# Altium PCB PCBv1.PcbDoc (part 2 of 2)
Units mm, origin at the board's own origin, x right, y up, seen from the top; angles counter-clockwise.
Board outline 94 x 133.2 mm, 2 copper layers (Top Layer, Bottom Layer), stack 1.615 mm thick; 122 components, 109 nets, 540 pads, 717 vias.
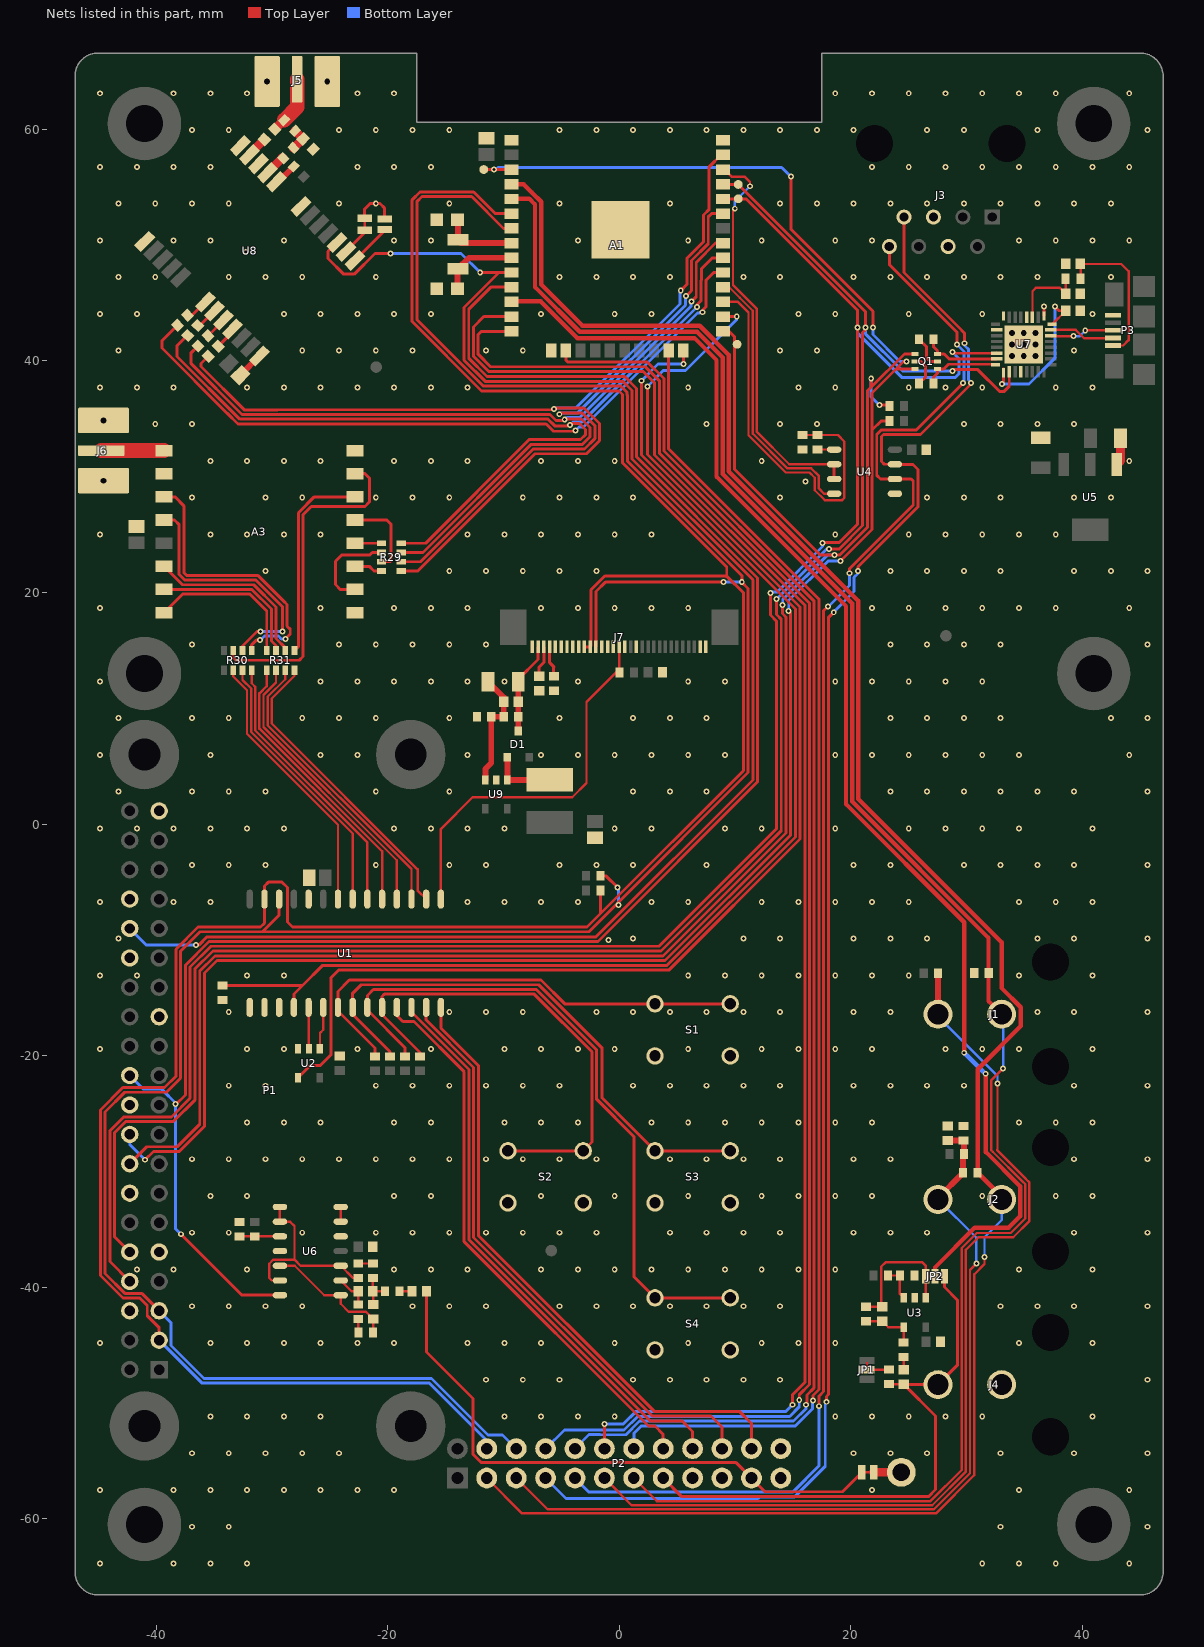
[diagram p2: the nets of this part, all layers, seen from the top]

## Via types
v1: diameter 0.508, hole 0.254, Top Layer to Bottom Layer, tented both sides, 702 vias
v2: diameter 0.889, hole 0.508, Top Layer to Bottom Layer, tented top, 9 vias
v3: diameter 1.27, hole 0.711, Top Layer to Bottom Layer, tented both sides, 6 vias

## Nets (pads, with @x,y where several pads share a name; then routed paths per layer and width w, separated by ;. In a path a pad name is that pad's centre, name@x,y a point inside that pad or via, vN(x,y) a via of type N, cw(c..) or ccw(c..) an arc to the next point about the centre after c; other vN are vias at no path point) (continued)
60Hz: A1.11 P1.22 U6.14 | length 158.4
  Top Layer w0.254: v1(-38.315,-24.187) -38.315,-24.252 -37.465,-23.402 -37.465,-12.192 -35.427,-10.154 -1.833,-10.154 11.963,3.643 11.963,21.26 1.52,31.704 1.52,37.405 1.512,37.413 1.512,37.617 0.481,38.649 -11.4,38.649 -12.989,40.237 -12.989,44.46 -11.078,46.37 A1.11@-9.303,46.37 ; v1(-37.846,-35.434) -32.579,-40.701 U6.14@-29.3,-40.701
  Bottom Layer w0.254: P1.22@-42.27,-21.73 -41.086,-22.914 -39.506,-22.914 -38.233,-24.187 v1(-38.315,-24.187) -38.315,-34.965 v1(-37.846,-35.434)
60HzAnt: C12.2 JP5.2 P2.21 | length 51.4
  Top Layer w0.254: C12.2@-16.644,-40.36 -16.644,-45.602 -12.609,-49.636 -12.609,-54.449 -11.919,-55.139 10.069,-55.139 P2.21@11.43,-56.5 12.609,-57.679 19.293,-57.679 JP5.2@20.972,-56
BTN1: R36.1 S1.1 S1.2 U1.21 | length 42.1
  Top Layer w0.254: R36.1@-21.092,-20.067 -21.092,-19.352 -24.284,-16.161 U1.21@-24.284,-15.841 -24.284,-14.46 -23.302,-13.479 -6.748,-13.479 -4.697,-15.53 S1.1@3.1,-15.53 S1.2@9.6,-15.53
BTN2: R37.1 S3.1 S3.2 U1.22 | length 48.2
  Top Layer w0.254: R37.1@-19.793,-20.067 -19.793,-19.683 -23.014,-16.462 U1.22@-23.014,-15.841 -23.014,-14.621 -22.278,-13.885 -6.936,-13.885 -1.494,-19.327 -1.494,-23.635 S3.1@3.1,-28.23 S3.2@9.6,-28.23
BTN3: R38.1 S4.1 S4.2 U1.23 | length 58.8
  Top Layer w0.254: R38.1@-18.494,-20.067 -18.494,-19.319 -21.744,-16.069 U1.23@-21.744,-15.841 -21.744,-14.806 -21.229,-14.292 -7.158,-14.292 -1.938,-19.511 -1.938,-23.779 1.289,-27.007 1.289,-39.119 S4.1@3.1,-40.93 S4.2@9.6,-40.93
BTN4: R39.1 S2.3 S2.4 U1.24 | length 42.2
  Top Layer w0.254: R39.1@-17.194,-20.067 -17.194,-19.734 -20.474,-16.455 U1.24@-20.474,-15.841 -20.474,-14.89 -20.282,-14.698 -7.326,-14.698 -2.345,-19.679 -2.345,-27.475 S2.3@-3.1,-28.23 S2.4@-9.6,-28.23
C\S\_SX: A3.5 R29.7 | length 7.3
  Top Layer w0.254: A3.5@-22.814,26.26 -20.07,26.26 -19.692,25.882 -19.692,22.78 -19.818,22.654 R29.7@-20.523,22.654
CT: A1.4 J2.1 P2.3 R8.2 | length 184.5
  Top Layer w0.203: P2.3@-11.43,-56.5 -8.376,-59.554 27.369,-59.554 30.681,-56.242 30.681,-38.902 31.566,-38.017 v1(31.566,-37.404)
  Top Layer w0.381: A1.4@-9.37,55.249 -8.237,55.249 -7.548,54.56 -6.732,53.744 -6.732,46.604 -3.171,43.044 6.956,43.044 9.481,40.519 9.481,30.456 20.669,19.268 20.669,2.161 33.039,-10.21 33.039,-14.169 34.704,-15.834 34.704,-17.446 30.972,-21.178 R8.2@30.972,-30.127 33.047,-32.202 J2.1@33.047,-32.43
  Bottom Layer w0.203: v1(31.566,-37.404) 31.566,-35.69 33.047,-34.209 J2.1@33.047,-32.43
CT_N: C29.2 J2.2 P2.5 R8.1 R9.1 R10.2 | length 74.2
  Top Layer w0.203: P2.5@-8.89,-56.5 -6.191,-59.199 27.204,-59.199 30.313,-56.089 30.313,-38.521 v1(30.861,-37.973)
  Top Layer w0.508: J2.2@27.547,-32.43 27.547,-32.301 R8.1@29.722,-30.127 29.722,-28.572 R9.1@29.782,-28.511 29.782,-27.366 R10.2@29.761,-27.345 28.414,-27.345 C29.2@28.404,-27.335
  Bottom Layer w0.203: J2.2@27.547,-32.43 30.861,-35.744 v1(30.861,-37.973)
D_SEL: JP4.2 U8.2 | length 2.5
  Top Layer w0.254: U8.2@-23.593,49.469 -21.982,51.079 JP4.2@-21.982,51.298
DIO0: R31.3 U1.3 | length 25.6
  Top Layer w0.203: R31.3@-28.84,13.283 -28.84,12.508 -30.36,10.988 -30.36,8.535 -17.934,-3.892 U1.3@-17.934,-6.491
DIO0_SX: A3.14 R31.6 | length 15.2
  Top Layer w0.254: A3.14@-39.314,22.26 -37.721,20.667 -31.555,20.667 -29.627,18.738 -29.627,16.015 -28.84,15.228 R31.6@-28.84,14.983
DIO1: R31.2 U1.4 | length 25
  Top Layer w0.203: R31.2@-29.64,13.283 -29.64,12.211 -30.716,11.135 -30.716,8.385 -19.204,-3.127 U1.4@-19.204,-6.491
DIO1_SX: A3.15 R31.7 | length 13.7
  Top Layer w0.254: A3.15@-39.314,20.26 -31.723,20.26 -30.033,18.57 -30.033,15.802 -29.64,15.408 R31.7@-29.64,14.983
DIO2: R31.1 U1.5 | length 24.4
  Top Layer w0.203: R31.1@-30.44,13.283 -30.44,11.914 -31.071,11.282 -31.071,8.237 -20.474,-2.36 U1.5@-20.474,-6.491
DIO2_SX: A3.16 R31.8 | length 13.6
  Top Layer w0.254: A3.16@-39.314,18.249 -37.71,19.854 -31.892,19.854 -30.44,18.402 R31.8@-30.44,14.983
DIO3: R30.4 U1.6 | length 23.9
  Top Layer w0.203: R30.4@-31.737,13.283 -31.737,12.155 -31.427,11.844 -31.427,8.09 -21.744,-1.593 U1.6@-21.744,-6.491
DIO3_SX: A3.11 R30.5 | length 25
  Top Layer w0.254: A3.11@-39.314,28.26 -38.37,28.26 -37.598,27.488 -37.598,21.718 -37.359,21.48 -31.218,21.48 -28.931,19.192 -28.915,19.192 -28.677,18.954 -28.677,17.089 -28.407,16.819 -28.407,16.404 v1(-28.834,15.977) ; R30.5@-31.737,14.983 -31.737,15.481 -31.34,15.879 v1(-31.02,15.879)
  Bottom Layer w0.254: v1(-31.02,15.879) -30.992,15.879 -30.64,16.231 -29.431,16.231 -29.175,15.975 -29.174,15.977 v1(-28.834,15.977)
DIO4: R30.3 U1.7 | length 23.7
  Top Layer w0.203: R30.3@-32.537,13.283 -32.537,12.452 -31.782,11.697 -31.782,7.943 -23.014,-0.826 U1.7@-23.014,-6.491
DIO4_SX: A3.12 R30.6 | length 22.4
  Top Layer w0.254: A3.12@-39.314,26.26 -38.405,26.26 -38.004,25.859 -38.004,21.55 -37.527,21.073 -31.387,21.073 -29.099,18.785 -29.083,18.785 v1(-29.083,16.637) ; R30.6@-32.537,14.983 -32.537,15.382 -31.282,16.637 v1(-30.988,16.637)
  Bottom Layer w0.254: v1(-30.988,16.637) v1(-29.083,16.637)
DIO5: R30.2 U1.8 | length 23.5
  Top Layer w0.203: R30.2@-33.337,13.283 -33.337,12.749 -32.138,11.55 -32.138,7.795 -24.284,-0.059 U1.8@-24.284,-6.491
DIO5\_SX: A3.7 R30.7 | length 28.8
  Top Layer w0.254: R30.7@-33.337,14.983 -33.337,14.399 -33.082,14.144 -27.627,14.144 -27.3,14.471 -27.3,26.712 -26.587,27.424 -21.96,27.424 -21.575,27.81 -21.575,29.892 -21.944,30.26 A3.7@-22.814,30.26
Filtered: C14.1 R24.1 U6.1 U6.12 | length 11.6
  Top Layer w0.203: U6.12@-29.3,-38.161 -28.013,-38.161 -25.473,-40.701 U6.1@-24.049,-40.701 -24.049,-41.446 -23.362,-42.133 -21.868,-42.133 C14.1@-21.242,-42.758 -21.242,-43.89 R24.1@-21.268,-43.916
FTDI_3.3V: C18.2 U7.1 U7.16 | length 14.3
  Top Layer w0.203: U7.16@37.154,43.18 37.426,43.18 C18.2@38.584,44.338
  Top Layer w0.254: v1(33.079,37.999) 33.204,38.125 U7.1@33.204,38.98 U7.1@33.204,39.323 ; v1(37.642,44.701) 38.005,44.338 C18.2@38.584,44.338
  Bottom Layer w0.254: v1(33.079,37.999) 35.399,37.999 37.642,40.242 v1(37.642,44.701)
FTDI_DTR: Q1.6 R25.2 U7.31 | length 6.7
  Top Layer w0.254: R25.2@27.165,41.872 27.165,41.225 27.515,40.874 Q1.6@27.515,40.61 28.081,40.61 28.512,40.18 U7.31@32.604,40.18
FTDI_RTS: Q1.4 R26.2 U7.32 | length 6.6
  Top Layer w0.254: R26.2@27.165,38.05 27.165,38.584 27.515,38.934 Q1.4@27.515,39.31 28.047,39.31 28.449,39.712 32.471,39.712 U7.32@32.504,39.68
GND: A1.0 A1.1 A1.15 A1.38 A3.1 A3.8 A3.10 C1.1 C2.1 C3.1 C4.1 C5.1 C6.1 C7.1 C10.1 C11.1 C15.1 C16.1 C17.1 C18.1 C20.1 C21.1 C22.1 C24.1 C25.1 C26.1 C29.1 J3.4 J3.5 J4.1 J5.2 J6.2 J7.1 J7.2 J7.13 J7.15 J7.17 J7.18 J7.19 J7.23 J7.24 J7.25 J7.26 J7.27 J7.31 JP3.1 JP4.1 P1.6 P1.9 P1.14 P1.20 P1.25 P1.30 P1.34 P1.39 P2.23 P2.24 P3.5 R3.1 R7.1 R10.1 R12.1 R14.1 R19.1 R32.2 R35.1 S1.3 S1.4 S2.1 S2.2 S3.3 S3.4 S4.3 S4.4 U1.10 U1.15 U1.16 U1.17 U2.3 U3.2 U4.5 U5.1 U6.5 U6.11 U7.4 U7.17 U7.20 U7.24 U7.26 U7.33 U8.7 U8.10 U8.12 U8.13 U8.24 U9.2 | length 13.2
  Top Layer w0.254: JP4.1@-21.982,52.568 -21.982,53.111 -21.499,53.594 v1(-21.018,53.594) -20.657,53.594 -20.247,53.184 JP3.1@-20.247,52.256 ; JP4.1@-21.601,52.187 JP4.1@-21.601,52.256 ; U7.17@36.704,43.88 v1(36.704,44.717)
  Top Layer w0.508: C20.1@-32.722,38.774 -31.077,40.42 U8.24@-31.077,40.429 ; C29.1@28.404,-26.085 C29.1@28.414,-26.095
  Top Layer w0.762: U5.1@42.996,31.052 43.318,31.373 C11.1@43.318,33.323
  Bottom Layer w0.254: v2(33.954,41.43) v2(34.954,41.43) ; v2(34.954,40.43) v2(34.954,41.43) ; v2(34.954,42.43) v2(34.954,41.43) ; v2(35.954,41.43) v2(34.954,41.43)
  other v1: -44.831,-63.881 -38.481,-63.881 -35.306,-63.881 -32.131,-63.881 31.369,-63.881 34.544,-63.881 37.719,-63.881 44.069,-63.881 -36.893,-60.706 -33.718,-60.706 32.956,-60.706 45.657,-60.706 -44.831,-57.531 -38.481,-57.531 -35.306,-57.531 -32.131,-57.531 -28.956,-57.531 -25.781,-57.531 -22.606,-57.531 -19.431,-57.531 21.844,-57.531 34.544,-57.531 44.069,-57.531 -36.893,-54.356 -33.718,-54.356 -30.543,-54.356 -27.368,-54.356 -24.194,-54.356 20.256,-54.356 23.431,-54.356 26.607,-54.356 32.956,-54.356 39.306,-54.356 45.657,-54.356 -35.306,-51.181 -32.131,-51.181 -28.956,-51.181 -25.781,-51.181 -9.906,-51.181 -6.731,-51.181 -3.556,-51.181 -0.381,-51.181 18.669,-51.181 21.844,-51.181 25.019,-51.181 28.194,-51.181 31.369,-51.181 40.894,-51.181 -11.493,-48.006 -8.319,-48.006 -5.143,-48.006 1.206,-48.006 4.381,-48.006 7.556,-48.006 10.731,-48.006 13.906,-48.006 45.657,-48.006 -44.831,-44.831 -35.306,-44.831 -32.131,-44.831 -28.956,-44.831 -25.781,-44.831 -22.606,-44.831 -19.431,-44.831 -13.081,-44.831 -9.906,-44.831 -6.731,-44.831 -0.381,-44.831 5.969,-44.831 12.319,-44.831 15.494,-44.831 18.669,-44.831 34.544,-44.831 40.894,-44.831 -36.893,-41.656 -33.718,-41.656 -30.543,-41.656 -27.368,-41.656 -17.843,-41.656 -14.668,-41.656 -11.493,-41.656 -5.143,-41.656 -1.968,-41.656 1.206,-41.656 4.381,-41.656 7.556,-41.656 10.731,-41.656 13.906,-41.656 32.956,-41.656 36.131,-41.656 39.306,-41.656 45.657,-41.656 -41.656,-38.481 -38.481,-38.481 -32.131,-38.481 -19.431,-38.481 -16.256,-38.481 -13.081,-38.481 -6.731,-38.481 -3.556,-38.481 -0.381,-38.481 2.794,-38.481 5.969,-38.481 9.144,-38.481 12.319,-38.481 15.494,-38.481 18.669,-38.481 34.544,-38.481 40.894,-38.481 -36.893,-35.306 -33.718,-35.306 -27.368,-35.306 -21.018,-35.306 -17.843,-35.306 -14.668,-35.306 -11.493,-35.306 -8.319,-35.306 -5.143,-35.306 -1.968,-35.306 4.381,-35.306 7.556,-35.306 10.731,-35.306 13.906,-35.306 20.256,-35.306 23.431,-35.306 26.607,-35.306 39.306,-35.306 45.657,-35.306 -35.306,-32.131 -32.131,-32.131 -19.431,-32.131 -16.256,-32.131 -6.731,-32.131 -0.381,-32.131 5.969,-32.131 12.319,-32.131 15.494,-32.131 18.669,-32.131 21.844,-32.131 31.369,-32.131 37.719,-32.131 40.894,-32.131 -36.893,-28.956 -33.718,-28.956 -30.543,-28.956 -27.368,-28.956 -24.194,-28.956 -21.018,-28.956 -17.843,-28.956 -14.668,-28.956 -11.493,-28.956 -8.319,-28.956 -5.143,-28.956 -1.968,-28.956 4.381,-28.956 7.556,-28.956 10.731,-28.956 13.906,-28.956 20.256,-28.956 23.431,-28.956 39.306,-28.956 45.657,-28.956 -32.131,-25.781 -28.956,-25.781 -25.781,-25.781 -19.431,-25.781 -16.256,-25.781 -9.906,-25.781 -6.731,-25.781 -3.556,-25.781 2.794,-25.781 5.969,-25.781 9.144,-25.781 12.319,-25.781 15.494,-25.781 18.669,-25.781 21.844,-25.781 34.544,-25.781 37.719,-25.781 40.894,-25.781 -33.718,-22.606 -30.543,-22.606 -21.018,-22.606 -17.843,-22.606 -14.668,-22.606 -11.493,-22.606 -8.319,-22.606 -5.143,-22.606 1.206,-22.606 4.381,-22.606 7.556,-22.606 10.731,-22.606 13.906,-22.606 20.256,-22.606 23.431,-22.606 26.607,-22.606 29.781,-22.606 39.306,-22.606 45.657,-22.606 -44.831,-19.431 -32.131,-19.431 -28.956,-19.431 -22.606,-19.431 -16.256,-19.431 -9.906,-19.431 -6.731,-19.431 -3.556,-19.431 -0.381,-19.431 5.969,-19.431 12.319,-19.431 15.494,-19.431 18.669,-19.431 21.844,-19.431 28.194,-19.431 31.369,-19.431 34.544,-19.431 40.894,-19.431 -33.718,-16.256 -14.668,-16.256 -11.493,-16.256 -8.319,-16.256 -1.968,-16.256 1.206,-16.256 4.381,-16.256 7.556,-16.256 10.731,-16.256 13.906,-16.256 20.256,-16.256 23.431,-16.256 36.131,-16.256 39.306,-16.256 45.657,-16.256 -44.831,-13.081 -41.656,-13.081 -32.131,-13.081 -28.956,-13.081 5.969,-13.081 9.144,-13.081 12.319,-13.081 15.494,-13.081 18.669,-13.081 21.844,-13.081 25.019,-13.081 34.544,-13.081 40.894,-13.081 -0.922,-10.026 -43.243,-9.906 1.206,-9.906 10.731,-9.906 13.906,-9.906 20.256,-9.906 23.431,-9.906 26.607,-9.906 36.131,-9.906 39.306,-9.906 45.657,-9.906 -44.831,-6.731 -38.481,-6.731 -35.306,-6.731 -13.081,-6.731 -9.906,-6.731 -6.731,-6.731 -3.556,-6.731 2.794,-6.731 5.969,-6.731 12.319,-6.731 15.494,-6.731 18.669,-6.731 21.844,-6.731 25.019,-6.731 34.544,-6.731 37.719,-6.731 40.894,-6.731 -36.893,-3.556 -33.718,-3.556 -30.543,-3.556 -21.018,-3.556 -14.668,-3.556 -11.493,-3.556 -5.143,-3.556 -1.968,-3.556 1.206,-3.556 7.556,-3.556 20.256,-3.556 23.431,-3.556 29.781,-3.556 32.956,-3.556 36.131,-3.556 39.306,-3.556 45.657,-3.556 -44.831,-0.381 -41.656,-0.381 -38.481,-0.381 -35.306,-0.381 -32.131,-0.381 -28.956,-0.381 -19.431,-0.381 -16.256,-0.381 -13.081,-0.381 -9.906,-0.381 -0.381,-0.381 2.794,-0.381 9.144,-0.381 12.319,-0.381 18.669,-0.381 25.019,-0.381 28.194,-0.381 31.369,-0.381 34.544,-0.381 40.894,-0.381 -43.243,2.794 -36.893,2.794 -33.718,2.794 -30.543,2.794 -21.018,2.794 -14.668,2.794 1.206,2.794 4.381,2.794 7.556,2.794 23.431,2.794 26.607,2.794 29.781,2.794 32.956,2.794 36.131,2.794 39.306,2.794 45.657,2.794 -44.831,5.969 -35.306,5.969 -25.781,5.969 -22.606,5.969 -13.081,5.969 -6.731,5.969 -3.556,5.969 -0.381,5.969 2.794,5.969 5.969,5.969 9.144,5.969 18.669,5.969 21.844,5.969 25.019,5.969 28.194,5.969 31.369,5.969 34.544,5.969 44.069,5.969 -43.243,9.144 -36.893,9.144 -33.718,9.144 -27.368,9.144 -24.194,9.144 -21.018,9.144 -14.668,9.144 -5.143,9.144 1.206,9.144 4.381,9.144 7.556,9.144 23.431,9.144 26.607,9.144 29.781,9.144 32.956,9.144 42.481,9.144 45.657,9.144 -44.831,12.319 -25.781,12.319 -22.606,12.319 -19.431,12.319 -16.256,12.319 -13.081,12.319 -9.906,12.319 -3.556,12.319 5.969,12.319 9.144,12.319 18.669,12.319 21.844,12.319 25.019,12.319 28.194,12.319 31.369,12.319 -36.893,15.494 -24.194,15.494 -21.018,15.494 -17.843,15.494 -14.668,15.494 -11.493,15.494 23.431,15.494 26.607,15.494 29.781,15.494 32.956,15.494 45.657,15.494 -44.831,18.669 -25.781,18.669 -19.431,18.669 -16.256,18.669 -13.081,18.669 -6.731,18.669 -3.556,18.669 -0.381,18.669 2.794,18.669 5.969,18.669 21.844,18.669 25.019,18.669 28.194,18.669 31.369,18.669 34.544,18.669 37.719,18.669 44.069,18.669 -30.543,21.844 -14.668,21.844 -11.493,21.844 -8.319,21.844 -5.143,21.844 -1.968,21.844 23.431,21.844 26.607,21.844 29.781,21.844 32.956,21.844 39.306,21.844 42.481,21.844 45.657,21.844 -44.831,25.019 -35.306,25.019 -32.131,25.019 -28.956,25.019 -25.781,25.019 -13.081,25.019 -9.906,25.019 -6.731,25.019 -3.556,25.019 -0.381,25.019 2.794,25.019 18.669,25.019 25.019,25.019 28.194,25.019 31.369,25.019 34.544,25.019 37.719,25.019 -36.893,28.194 -30.543,28.194 -27.368,28.194 -21.018,28.194 -17.843,28.194 -14.668,28.194 -8.319,28.194 -5.143,28.194 -1.968,28.194 1.206,28.194 13.906,28.194 26.607,28.194 29.781,28.194 32.956,28.194 39.306,28.194 42.481,28.194 16.093,29.572 -35.306,31.369 -32.131,31.369 -28.956,31.369 -25.781,31.369 -19.431,31.369 -16.256,31.369 -13.081,31.369 -6.731,31.369 -3.556,31.369 -0.381,31.369 12.319,31.369 44.069,31.369 -40.069,34.544 -36.893,34.544 7.556,34.544 13.906,34.544 17.081,34.544 29.781,34.544 32.956,34.544 36.131,34.544 39.306,34.544 -44.831,37.719 -41.656,37.719 -38.481,37.719 -32.131,37.719 -28.956,37.719 -25.781,37.719 -22.606,37.719 -19.431,37.719 -16.256,37.719 -13.081,37.719 5.969,37.719 15.494,37.719 18.669,37.719 25.019,37.719 28.194,37.719 31.369,37.719 37.719,37.719 40.894,37.719 -43.243,40.894 -27.368,40.894 -24.194,40.894 -21.018,40.894 -17.843,40.894 -11.493,40.894 -8.319,40.894 13.906,40.894 17.081,40.894 39.306,40.894 -44.831,44.069 -41.656,44.069 -28.956,44.069 -25.781,44.069 -22.606,44.069 -19.431,44.069 -16.256,44.069 -6.731,44.069 -0.381,44.069 2.794,44.069 15.494,44.069 18.669,44.069 25.019,44.069 31.369,44.069 40.894,44.069 -43.243,47.244 -40.069,47.244 -33.718,47.244 -30.543,47.244 -27.368,47.244 -21.018,47.244 -5.143,47.244 -1.968,47.244 1.206,47.244 4.381,47.244 10.731,47.244 13.906,47.244 20.256,47.244 23.431,47.244 26.607,47.244 29.781,47.244 32.956,47.244 36.131,47.244 42.481,47.244 -32.252,49.394 -44.831,50.419 -38.481,50.419 -35.306,50.419 -28.956,50.419 -19.431,50.419 -16.256,50.419 -3.556,50.419 5.969,50.419 12.319,50.419 18.669,50.419 21.844,50.419 34.544,50.419 37.719,50.419 40.894,50.419 44.069,50.419 -43.243,53.594 -40.069,53.594 -36.893,53.594 -33.718,53.594 -24.194,53.594 -14.668,53.594 -5.143,53.594 4.381,53.594 13.906,53.594 17.081,53.594 20.256,53.594 23.431,53.594 26.607,53.594 29.781,53.594 32.956,53.594 36.131,53.594 39.306,53.594 42.481,53.594 -44.831,56.769 -41.656,56.769 -38.481,56.769 -35.306,56.769 -22.606,56.769 -19.431,56.769 -16.256,56.769 21.844,56.769 25.019,56.769 28.194,56.769 31.369,56.769 34.544,56.769 37.719,56.769 40.894,56.769 44.069,56.769 -36.893,59.944 -33.718,59.944 -24.194,59.944 -21.018,59.944 -17.843,59.944 -14.668,59.944 -5.143,59.944 -1.968,59.944 1.206,59.944 4.381,59.944 7.556,59.944 10.731,59.944 13.906,59.944 17.081,59.944 20.256,59.944 26.607,59.944 29.781,59.944 36.131,59.944 45.657,59.944 -44.831,63.119 -38.481,63.119 -35.306,63.119 -32.131,63.119 -22.606,63.119 -19.431,63.119 18.669,63.119 21.844,63.119 25.019,63.119 28.194,63.119 31.369,63.119 34.544,63.119 37.719,63.119 44.069,63.119
  other v2: 33.954,40.43 35.954,40.43 33.954,42.43 35.954,42.43
GPIO1: A1.14 P2.8 | length 139.1
  Top Layer w0.254: A1.14@-9.303,42.56 -11.889,42.56 -12.175,42.275 -12.175,40.573 -11.099,39.497 2.264,39.497 3.472,38.289 3.472,32.051 16.447,19.076 16.447,-48.418 15.562,-49.302 v1(15.562,-49.764)
  Bottom Layer w0.254: P2.8@-6.35,-53.96 -4.726,-52.336 -1.504,-52.336 -1.491,-52.349 0.429,-52.349 1.605,-51.173 14.732,-51.173 15.562,-50.343 v1(15.562,-49.764)
GPIO2: A1.16 P2.10 | length 126
  Top Layer w0.254: A1.16@-4.606,40.909 -4.606,40.087 -4.434,39.916 2.435,39.916 3.878,38.472 3.878,32.219 16.853,19.244 16.853,-48.691 16.219,-49.324 16.219,-50.103 v1(16.157,-50.165)
  Bottom Layer w0.254: P2.10@-3.81,-53.96 -2.593,-52.743 -1.672,-52.743 -1.659,-52.756 0.597,-52.756 1.773,-51.579 15.071,-51.579 16.157,-50.493 v1(16.157,-50.165)
GPIO3: A1.13 P2.12 | length 136
  Top Layer w0.254: A1.13@-9.303,43.83 -11.688,43.83 -12.582,42.936 -12.582,40.406 -11.267,39.091 2.095,39.091 3.065,38.121 3.065,31.883 16.04,18.908 16.04,-48.249 14.986,-49.304 v1(14.986,-50.165) ; P2.12@-1.27,-53.96 v1(-1.27,-51.816)
  Bottom Layer w0.254: v1(-1.27,-51.816) 0.387,-51.816 1.437,-50.766 14.385,-50.766 v1(14.986,-50.165)
GPIO4: A1.23 P2.14 | length 114.7
  Top Layer w0.254: A1.23@4.284,40.909 4.284,32.388 17.26,19.413 17.26,-48.859 16.753,-49.366 v1(16.753,-49.789)
  Bottom Layer w0.254: P2.14@1.27,-53.96 1.27,-52.657 1.942,-51.986 15.239,-51.986 16.714,-50.511 16.714,-49.828 v1(16.753,-49.789)
GPIO5: P2.16 U1.25 | length 48.5
  Top Layer w0.254: U1.25@-19.204,-15.841 -19.204,-16.544 -18.686,-17.063 -17.726,-17.063 -13.381,-21.408 -13.381,-36.083 2.546,-52.009 3.09,-52.009 3.81,-52.729 P2.16@3.81,-53.96
GPIO6: P2.18 U1.26 | length 49.8
  Top Layer w0.254: U1.26@-17.934,-15.841 -17.934,-16.245 -12.974,-21.205 -12.974,-35.914 2.688,-51.576 5.456,-51.576 6.35,-52.47 P2.18@6.35,-53.96
GPIO7: P2.20 U1.27 | length 51.7
  Top Layer w0.254: U1.27@-16.664,-15.841 -16.664,-16.941 -12.568,-21.036 -12.568,-35.717 2.859,-51.143 7.938,-51.143 8.89,-52.096 P2.20@8.89,-53.96
GPIO8: P2.22 U1.28 | length 53.5
  Top Layer w0.254: U1.28@-15.394,-15.841 -15.394,-17.636 -12.161,-20.868 -12.161,-35.548 3.027,-50.737 10.388,-50.737 11.43,-51.779 P2.22@11.43,-53.96
GPS_PPS: A1.10 P1.32 U8.3 | length 142.3
  Top Layer w0.254: v1(-36.544,-10.468) -36.315,-10.468 -35.595,-9.747 -2.001,-9.747 11.557,3.811 11.557,21.092 1.113,31.536 1.113,37.237 1.106,37.244 1.106,37.449 0.313,38.242 -11.568,38.242 -13.395,40.069 -13.395,44.628 -10.383,47.64 ; U8.3@-24.371,50.246 -25.145,49.472 -25.145,48.843 -23.794,47.492 -22.887,47.492 -21.086,49.293 v1(-19.746,49.293) ; v1(-11.998,47.64) -10.383,47.64 ; A1.10@-9.303,47.64 -10.383,47.64
  Bottom Layer w0.254: P1.32@-42.27,-9.03 -40.832,-10.468 v1(-36.544,-10.468) ; v1(-19.746,49.293) -13.651,49.293 v1(-11.998,47.64)
I2C.SCL: A1.7 J7.20 P1.5 P2.6 R5.1 U1.12 | length 233.5
  Top Layer w0.254: P1.5@-39.73,-42.05 -41.241,-40.539 -42.696,-40.539 -44.398,-38.838 -44.398,-24.873 -42.699,-23.174 -39.093,-23.174 -37.879,-21.959 -37.879,-10.991 -36.197,-9.31 -30.802,-9.31 ; U1.12@-29.364,-6.491 -29.364,-7.871 -30.802,-9.31 ; A1.7@-9.303,51.45 -9.986,51.45 -12.734,54.198 -17.024,54.198 -17.471,53.751 -17.471,43.57 -11.737,37.836 0.144,37.836 0.699,37.281 0.699,37.076 0.707,37.068 0.707,31.367 10.599,21.475 v1(10.599,20.89) 11.145,20.344 11.145,4.441 -0.165,-6.869 -0.06,-6.975 v1(-0.06,-7.01) ; J7.20@-2,15.3 -2,20.084 -1.194,20.89 v1(9.019,20.89) ; R5.1@-1.602,-4.469 -1.146,-4.469 v1(-0.125,-5.49) ; v1@-0.275,-7.032 v1@-0.165,-7.032 ; v1@-0.183,-6.887 -2.605,-9.31 -30.802,-9.31
  Bottom Layer w0.254: P1.5@-39.73,-42.05 -38.701,-43.079 -38.701,-45.045 -35.85,-47.896 -16.207,-47.896 -11.322,-52.781 -10.069,-52.781 P2.6@-8.89,-53.96 ; v1(-0.125,-5.49) -0.06,-5.555 v1(-0.06,-7.01) ; v1(9.019,20.89) v1(10.599,20.89)
I2C.SDA: A1.6 J7.21 J7.22 P1.3 P2.4 R4.1 U1.13 | length 233.8
  Top Layer w0.254: P1.3@-39.73,-44.59 -39.73,-43.506 -40.759,-42.476 -40.759,-41.595 -41.409,-40.946 -42.865,-40.946 -44.805,-39.006 -44.805,-24.704 -42.868,-22.767 -39.262,-22.767 -38.285,-21.791 -38.285,-10.823 -36.366,-8.903 -30.97,-8.903 -30.634,-8.567 U1.13@-30.634,-6.491 -30.634,-5.363 -30.3,-5.029 -29.113,-5.029 -28.655,-5.487 -28.655,-8.468 -28.22,-8.903 -2.774,-8.903 -1.602,-7.731 ; A1.6@-9.303,52.72 -10.682,52.72 -12.565,54.604 -17.192,54.604 -17.877,53.919 -17.877,43.402 -11.883,37.408 -0.002,37.408 0.293,37.112 0.293,31.206 9.298,22.201 9.298,21.365 9.24,21.423 -1.235,21.423 -2.429,20.229 -2.429,15.371 J7.21@-2.5,15.3 J7.22@-3,15.3 ; R4.1@-1.602,-5.756 -1.602,-7.731 ; 9.351,21.365 10.739,19.978 10.739,4.609 -1.602,-7.731
  Bottom Layer w0.254: P1.3@-39.73,-44.59 -36.018,-48.302 -16.389,-48.302 -11.43,-53.261 P2.4@-11.43,-53.96
INTA: U1.20 U2.1 | length 3.7
  Top Layer w0.203: U2.1@-25.843,-19.425 -25.843,-18.059 -25.554,-17.77 U1.20@-25.554,-15.841
INTB: U1.19 U2.2 | length 3.6
  Top Layer w0.203: U1.19@-26.824,-15.841 -26.824,-19.395 U2.2@-26.793,-19.425
IO0: A1.25 P1.16 Q1.1 R1.1 TP1.1 | length 152.3
  Top Layer w0.254: P1.16@-42.27,-29.35 -40.801,-27.881 -38.164,-27.881 -36.223,-25.94 -36.223,-12.706 -34.912,-11.395 3.799,-11.395 14.415,-0.779 14.415,17.865 14.105,18.175 14.105,18.896 v1(14.122,18.913) ; A1.25@8.985,42.56 9.498,42.56 9.951,42.107 9.951,30.668 17.383,23.236 v1(18.611,23.236) 18.628,23.252 19.087,23.252 21.442,25.608 21.442,37.403 21.777,37.738 ; v1(21.777,38.484) 21.777,37.738 ; v1(22.479,36.195) 23.285,36.195 R1.1@23.373,36.107 ; Q1.1@25.565,40.61 24.65,40.61 21.777,37.738
  Bottom Layer w0.254: v1(14.122,18.913) 14.138,18.929 14.138,19.381 17.976,23.219 18.595,23.219 v1(18.611,23.236) ; v1(21.777,38.484) 21.777,36.897 v1(22.479,36.195)
IOE_INT: A1.26 U2.4 | length 111.9
  Top Layer w0.254: U2.4@-27.743,-21.925 -26.694,-20.876 -25.833,-20.876 -24.906,-19.949 -24.906,-13.295 -24.237,-12.626 4.292,-12.626 15.634,-1.284 15.634,18.739 2.452,31.921 v1(2.452,37.802) ; A1.26@8.985,43.83 v1(10.163,43.83)
  Bottom Layer w0.254: v1(2.452,37.802) 3.814,39.164 5.742,39.164 10.163,43.585 v1(10.163,43.83)
IOE_R\S\T\: A1.24 R3.2 U1.18 | length 107.3
  Top Layer w0.254: R3.2@-34.263,-13.956 -27.354,-13.956 ; U1.18@-28.094,-15.841 -28.094,-14.696 -27.354,-13.956 ; v1(1.926,38.287) 1.926,38.03 1.919,38.023 1.919,37.581 1.926,37.573 1.926,31.872 15.228,18.571 15.228,-1.116 4.134,-12.21 -25.607,-12.21 -27.354,-13.956 ; v1(5.554,39.731) A1.24@5.554,40.909
  Bottom Layer w0.254: v1(1.926,38.287) 3.37,39.731 v1(5.554,39.731)
Iref: J7.28 R32.1 | length 2.7
  Top Layer w0.254: J7.28@-6,15.3 -6,13.933 -5.65,13.583 ; R32.1@-5.65,12.786 -5.65,13.583 ; -5.65,13.586 -5.65,13.583 ; -5.631,13.564 -5.65,13.583
LCD_R\S\T\: J7.16 R33.1 U1.1 | length 33.2
  Top Layer w0.203: U1.1@-15.394,-6.491 -15.394,-0.426 -12.655,2.313 -4.049,2.313 -2.812,3.55 -2.812,10.536 0,13.348 J7.16@0,15.3
Leak: A1.5 J1.1 P2.13 R7.2 | length 170.4
  Top Layer w0.203: P2.13@1.27,-56.5 3.257,-58.487 26.899,-58.487 29.595,-55.792 29.595,-36.629 30.892,-35.332 33.826,-35.332 35.085,-34.073 35.085,-31.109 34.859,-30.884 32.282,-28.307 32.133,-28.158 32.133,-22.149 v1(33.169,-21.113)
  Top Layer w0.381: A1.5@-9.322,54.027 -7.769,54.027 -7.265,53.523 -7.265,46.383 -3.392,42.51 6.735,42.51 8.948,40.298 8.948,30.235 20.135,19.047 20.135,1.94 31.913,-9.838 31.913,-15.296 J1.1@33.047,-16.43
  Bottom Layer w0.203: J1.1@33.047,-16.43 33.464,-16.846 33.169,-17.141 v1(33.169,-21.113)
Leak_P: J1.2 P2.11 R6.1 | length 83.8
  Top Layer w0.203: P2.11@-1.27,-56.5 1.073,-58.843 27.052,-58.843 29.954,-55.941 29.954,-36.773 31.035,-35.691 34.052,-35.691 35.44,-34.303 35.44,-30.962 35.115,-30.637 35.115,-30.632 32.641,-28.158 32.685,-28.114 v1(32.685,-22.422)
  Top Layer w0.508: J1.2@27.547,-16.43 R6.1@27.547,-12.888
  Bottom Layer w0.203: J1.2@27.547,-16.43 27.547,-16.633 32.644,-21.729 32.641,-21.732 32.685,-21.776 v1(32.685,-22.422)
LoRa_R\S\T\: R31.4 U1.2 | length 26.1
  Top Layer w0.203: R31.4@-28.04,13.283 -28.04,12.805 -30.004,10.841 -30.004,8.682 -17.405,-3.918 -17.405,-5.75 U1.2@-16.664,-6.491
MCU_EN: A1.3 P1.18 Q1.3 R2.1 TP2.1 | length 176.3
  Top Layer w0.254: v1(-40.945,-29.001) -40.231,-28.288 -37.996,-28.288 -35.817,-26.109 -35.817,-12.875 -34.744,-11.802 3.63,-11.802 3.967,-11.802 14.821,-0.948 14.821,18.213 v1(14.639,18.396) ; TP2.1@-11.696,56.535 -10.826,56.535 v1(-10.822,56.539) -10.814,56.53 A1.3@-9.303,56.53 ; v1(14.849,55.917) 14.849,51.369 21.93,44.287 v1(21.93,42.891) ; v1(19.128,22.719) 21.849,25.44 21.849,34.028 ; R2.1@23.373,34.814 22.635,34.814 21.849,34.028 ; v1(24.831,39.953) 24.567,39.953 23.925,39.31 ; Q1.3@25.565,39.31 23.925,39.31 ; 21.849,34.028 21.849,37.234 23.925,39.31
  Bottom Layer w0.254: P1.18@-42.27,-26.81 -42.27,-27.676 v1(-40.945,-29.001) ; v1(-10.822,56.539) -10.651,56.539 -10.471,56.719 14.047,56.719 v1(14.849,55.917) ; v1(14.639,18.396) 14.655,18.413 14.655,19.323 14.73,19.398 18.034,22.702 19.111,22.702 v1(19.128,22.719) ; v1(21.93,42.891) 21.93,42.273 24.25,39.953 v1(24.831,39.953)
MCU_RX: A1.34 P1.8 TP3.1 U7.30 | length 170.5
  Top Layer w0.254: P1.8@-42.27,-39.51 -43.985,-37.795 -43.985,-26.495 -42.79,-25.299 -38.673,-25.299 -37.059,-23.685 -37.059,-12.36 -35.258,-10.56 3.453,-10.56 13.602,-0.411 13.602,17.514 13.072,18.045 13.072,19.929 v1(13.088,19.946) ; A1.34@8.985,53.99 10.282,53.99 TP3.1@10.294,54.003 10.962,54.003 20.61,44.355 20.61,25.925 18.987,24.302 17.611,24.302 v1(17.578,24.269) ; v1(28.793,40.767) 28.933,40.631 U7.30@32.604,40.68
  Bottom Layer w0.254: v1(13.088,19.946) 13.17,20.027 13.635,20.027 17.578,23.97 v1(17.578,24.269) ; v1(20.609,42.891) 20.61,42.391 24.414,38.587 29.069,38.587 29.344,38.862 29.344,40.216 v1(28.793,40.767)
MCU_TX: A1.35 P1.10 TP4.1 U7.2 | length 168.1
  Top Layer w0.254: P1.10@-42.27,-36.97 -43.579,-35.661 -43.579,-26.663 -42.622,-25.706 -38.504,-25.706 -36.652,-23.854 -36.652,-12.529 -35.09,-10.966 3.621,-10.966 14.008,-0.579 14.008,17.683 13.588,18.103 13.588,19.413 v1(13.605,19.429) ; A1.35@8.985,55.26 10.279,55.26 TP4.1@10.294,55.245 21.27,44.27 v1(21.27,42.891) 21.27,42.679 21.036,42.445 21.036,25.776 19.029,23.769 v1(18.131,23.769) ; v1(28.793,39.132) 28.905,39.243 30.983,39.243 32.851,37.375 33.268,37.375 33.704,37.81 U7.2@33.704,39.08
  Bottom Layer w0.254: v1(13.605,19.429) 13.612,19.429 17.952,23.769 v1(18.131,23.769) ; v1(21.27,42.891) 21.27,42.358 24.496,39.132 v1(28.793,39.132)
Mic: A1.12 JP2.2 | length 114.6
  Top Layer w0.381: A1.12@-9.303,45.146 -6.782,45.146 -3.613,41.977 6.514,41.977 8.414,40.077 8.414,30.014 19.602,18.826 19.602,1.719 29.815,-8.494 v1@29.815,-19.723 ; JP2.2@27.286,-39.055 27.286,-38.309 30.708,-34.887 33.642,-34.887 34.64,-33.889 34.64,-31.294 31.689,-28.342 31.689,-21.595 v1(31.667,-21.574) ; v1(29.811,-19.761) v1@29.811,-19.723
  Bottom Layer w0.381: v1(29.811,-19.761) 31.624,-21.574 v1(31.667,-21.574)
Mic_In: C8.1 J4.2 JP2.1 P2.15 R15.1 | length 49.4
  Top Layer w0.203: R15.1@23.303,-48.388 23.311,-48.396 C8.1@24.588,-48.396
  Top Layer w0.254: P2.15@3.81,-56.5 5.416,-58.106 26.715,-58.106 27.336,-57.485 27.336,-51.144 C8.1@24.622,-48.43 ; C8.1@24.588,-48.396 C8.1@24.622,-48.43 ; JP2.1@28.105,-39.055 28.105,-40.005 29.214,-41.114 29.214,-46.764 J4.2@27.547,-48.43 C8.1@24.622,-48.43
MISO_SX: A3.2 R29.6 | length 8.2
  Top Layer w0.254: A3.2@-22.814,20.26 -24.086,20.26 -24.508,20.682 -24.508,22.689 -23.979,23.218 -21.553,23.218 -21.317,23.454 R29.6@-20.523,23.454
MOSI_SX: A3.3 R29.8 | length 2.5
  Top Layer w0.254: A3.3@-22.814,22.26 -21.58,22.26 -21.174,21.854 R29.8@-20.523,21.854
NetA1_8: A1.8 C2.2 X1.1 | length 6.5
  Top Layer w0.508: C2.2@-13.955,52.198 -13.929,52.172 X1.1@-13.929,50.451 -13.659,50.18 A1.8@-9.303,50.18
NetA1_9: A1.9 C3.2 X1.2 | length 6.7
  Top Layer w0.508: C3.2@-13.955,46.238 -13.955,47.925 X1.2@-13.929,47.951 -12.97,48.91 A1.9@-9.303,48.91
NetA2_1: A2.1 JP5.1 | length 2.4
  Top Layer w0.762: JP5.1@21.988,-56 A2.1@24.375,-56
NetA3_9: A3.9 J6.1 | length 5.4
  Top Layer w0.254: J6.1@-44.739,32.258 J6.1@-44.737,32.26
  Top Layer w1.27: J6.1@-44.737,32.26 A3.9@-39.314,32.26
NetC8_2: C8.2 R16.1 | length 1.1
  Top Layer w0.203: R16.1@24.575,-46.056 24.575,-47.132 C8.2@24.588,-47.146
NetC9_1: C9.1 R16.2 R17.1 U3.4 | length 4.8
  Top Layer w0.203: R17.1@21.334,-42.955 C9.1@22.731,-42.955 23.254,-43.478 U3.4@24.575,-43.478 R16.2@24.575,-44.806
NetC9_2: C9.2 JP2.3 R17.2 U3.1 | length 11.8
  Top Layer w0.203: R17.2@21.334,-41.705 C9.2@22.634,-41.705 ; C9.2@22.731,-41.705 C9.2@22.634,-41.705 ; U3.1@26.475,-40.928 26.475,-39.059 26.475,-38.145 26.196,-37.867 23.017,-37.867 22.634,-38.249 C9.2@22.634,-41.705
  Top Layer w0.508: JP2.3@26.475,-39.059 JP2.3@26.479,-39.055
NetC12_1: C12.1 R22.1 | length 1.1
  Top Layer w0.203: R22.1@-18.961,-40.36 C12.1@-17.894,-40.36 ; C12.1@-17.902,-40.236 C12.1@-17.894,-40.245
NetC13_1: C13.1 R23.2 U6.2 | length 3
  Top Layer w0.203: U6.2@-24.049,-39.431 -23.12,-40.36 C13.1@-22.541,-40.36 -22.541,-41.496 R23.2@-22.529,-41.508
NetC13_2: C13.2 C14.2 R21.1 R22.2 | length 3.4
  Top Layer w0.203: R21.1@-21.247,-39.213 -21.291,-39.256 C13.2@-21.291,-40.36 ; C14.2@-21.242,-41.508 -21.242,-40.408 C13.2@-21.291,-40.36 ; R22.2@-20.214,-40.233 R22.2@-20.211,-40.236 ; R22.2@-20.211,-40.36 C13.2@-21.291,-40.36
NetC16_2: C16.2 FB1.1 P3.1 | length 13.2
  Top Layer w0.203: FB1.1@39.869,47.091 39.869,48.344 C16.2@39.834,48.379 43.376,48.379 44.011,47.744 44.011,41.802 43.546,41.337 P3.1@42.664,41.337
NetC19_2: C19.2 J5.1 L1.2 | length 5.1
  Top Layer w0.762: C19.2@-29.756,60.016 -28.961,60.811 L1.2@-28.937,60.811
  Top Layer w1.27: L1.2@-28.937,60.811 -27.813,61.935 J5.1@-27.813,64.338
NetC21_2: C21.2 L1.1 R28.2 | length 2.1
  Top Layer w0.762: R28.2@-28.127,58.401 -28.085,58.401 -27.306,59.181 L1.1@-27.996,59.871
NetC27_1: C27.1 C28.1 R34.1 R35.2 U9.3 | length 10.3
  Top Layer w0.508: U9.3@-11.547,3.809 -11.547,4.767 -11.042,5.271 R35.2@-11.042,9.265 ; C28.1@-11.32,12.288 -9.959,10.927 C27.1@-9.959,10.573 -9.966,10.566 R34.1@-9.966,9.266 R35.2@-11.042,9.265
NetD1_1: D1.1 L2.2 U9.1 | length 5.6
  Top Layer w0.508: D1.1@-9.66,5.777 -9.647,5.764 U9.1@-9.647,3.809 -9.64,3.817 L2.2@-5.994,3.817
NetFB2_2: FB2.2 U8.18 | length 2
  Top Layer w0.254: FB2.2@-37.281,43.956 -36.884,43.956 U8.18@-35.744,45.096
NetFB3_2: FB3.2 U8.19 | length 1.9
  Top Layer w0.254: FB3.2@-36.391,43.065 -36.219,43.065 U8.19@-34.966,44.318
NetFB4_2: FB4.2 U8.20 | length 1.9
  Top Layer w0.254: FB4.2@-35.509,42.165 -34.188,43.485 U8.20@-34.188,43.54
NetFB5_2: FB5.2 U8.21 | length 2
  Top Layer w0.254: FB5.2@-34.619,41.272 -33.41,42.48 U8.21@-33.41,42.762
NetJP1_2: JP1.2 R15.2 | length 1.6
  Top Layer w0.203: JP1.2@21.764,-47.153 21.764,-47.138 R15.2@23.303,-47.138
NetQ1_2: Q1.2 R26.1 | length 2.8
  Top Layer w0.254: Q1.2@25.565,39.96 26.086,39.96 26.486,39.561 26.486,38.62 R26.1@25.915,38.05
NetQ1_5: Q1.5 R25.1 | length 2.9
  Top Layer w0.254: R25.1@25.915,41.872 26.572,41.216 26.572,40.272 26.883,39.96 Q1.5@27.515,39.96
NetR11_1: R11.1 R12.2 U3.3 | length 3.1
  Top Layer w0.203: R11.1@23.238,-38.998 24.252,-38.998 24.252,-40.605 U3.3@24.575,-40.928
NetR13_2: R13.2 U4.1 | length 1.4
  Top Layer w0.203: R13.2@17.15,32.35 18.569,32.35 U4.1@18.575,32.344
NetR18_1: R18.1 R19.2 U6.10 | length 3.5
  Top Layer w0.203: R19.2@-32.811,-35.621 U6.10@-29.3,-35.621
NetR20_2: R20.2 R21.2 | length 1.3
  Top Layer w0.203: R20.2@-22.533,-37.962 R21.2@-21.247,-37.962
NetR23_1: R23.1 R24.2 | length 1.2
  Top Layer w0.203: R23.1@-22.529,-42.758 -22.518,-42.768 R24.2@-22.518,-43.916
NetU6_6: U6.6 U6.7 | length 1.4
  Top Layer w0.203: U6.6@-24.15,-34.351 U6.6@-24.049,-34.351 U6.7@-24.049,-33.081
R\S\T\: R27.1 U8.8 | length 2
  Top Layer w0.508: U8.8@-29.603,55.479 -29.434,55.479 R27.1@-28.116,56.797
R\S\T\_SX: A3.6 R31.5 | length 17.5
  Top Layer w0.254: R31.5@-28.04,14.983 -27.706,15.317 -27.706,26.88 -26.326,28.26 A3.6@-22.814,28.26
RF_IN: C19.1 U8.11 | length 1.9
  Top Layer w0.762: U8.11@-31.937,57.812 -31.937,57.835 C19.1@-30.64,59.132
RFU1: P2.17
RFU2: P2.19
RS485_DE: A1.36 U4.2 U4.3 | length 34.9
  Top Layer w0.203: A1.36@8.985,56.53 9.125,56.53 9.753,55.902 10.87,55.902 11.305,55.468 v1(11.305,55.091) ; v1(9.994,53.15) 9.839,52.996 9.839,46.549 10.567,45.822 11.903,44.485 11.903,33.868 14.697,31.074 U4.2@18.559,31.074 ; U4.3@18.559,29.804 U4.3@18.575,29.804
  Top Layer w0.254: U4.3@18.559,29.804 U4.2@18.559,31.074
  Bottom Layer w0.203: v1(9.994,53.15) 9.994,53.78 v1(11.305,55.091)
RS485_RX: A1.27 R13.1 R14.2 | length 33.2
  Top Layer w0.203: A1.27@8.985,45.1 10.268,45.1 11.181,44.187 11.181,33.583 14.402,30.363 16.443,30.363 16.903,29.903 16.903,28.832 17.758,27.978 19.262,27.978 19.454,28.169 19.454,33.046 18.901,33.6 R13.1@17.15,33.6 R14.2@15.854,33.6
RS485_TX: A1.28 U4.4 | length 23.8
  Top Layer w0.203: A1.28@8.985,46.37 9.51,46.37 10.414,45.466 10.419,45.466 11.547,44.338 11.547,33.721 14.549,30.718 16.59,30.718 17.259,30.05 17.259,28.979 17.704,28.534 U4.4@18.575,28.534
RS4855_A: J3.8 P2.9 U4.6 | length 141.8
  Top Layer w0.254: v1(17.272,-50.292) 17.286,-50.278 17.286,-49.407 17.666,-49.027 17.666,18.428 v1(18.034,18.796) ; v1(19.892,21.659) 19.892,22.051 25.408,27.567 25.408,29.625 25.229,29.804 U4.6@23.825,29.804 22.574,29.804 22.255,30.123 22.255,33.642 22.662,34.049 25.683,34.049 v1(29.716,38.082) ; J3.8@23.342,49.886 23.342,48.336 29.126,42.551 29.126,42.544 29.179,42.492 v1(29.179,41.409)
  Bottom Layer w0.254: P2.9@-3.81,-56.5 -2.594,-57.716 14.996,-57.716 17.272,-55.441 v1(17.272,-50.292) ; v1(18.034,18.796) 18.034,18.743 19.892,20.601 v1(19.892,21.659) ; v1(29.179,41.409) 29.19,41.409 29.789,40.81 29.789,38.155 v1(29.716,38.082)
RS4855_B: J3.7 P2.7 U4.7 | length 147.7
  Top Layer w0.254: v1(17.907,-49.911) 17.907,-49.453 18.072,-49.288 18.072,17.818 v1(18.542,18.288) ; v1(20.63,21.871) 20.63,22.214 25.814,27.398 25.814,30.622 25.385,31.05 U4.7@23.582,31.05 ; U4.7@23.825,31.074 22.906,31.074 22.661,31.319 22.661,33.474 22.831,33.643 26.031,33.643 30.404,38.016 v1(30.404,38.082) ; J3.7@24.612,52.426 24.612,47.641 29.585,42.667 29.585,42.66 29.845,42.4 v1(29.845,41.529)
  Bottom Layer w0.254: P2.7@-6.35,-56.5 -4.579,-58.271 12.015,-58.271 12.163,-58.123 15.165,-58.123 17.805,-55.482 17.805,-50.013 v1(17.907,-49.911) ; v1(18.542,18.288) 18.542,18.317 20.299,20.073 20.299,21.311 20.63,21.642 v1(20.63,21.871) ; v1(29.845,41.529) 29.845,41.329 30.195,40.978 30.195,38.357 30.404,38.148 v1(30.404,38.082)
SAFEBOOT_N: JP3.2 U8.1 | length 3.7
  Top Layer w0.254: U8.1@-22.815,48.691 -20.247,51.259 JP3.2@-20.247,51.334
SCK_SX: A3.4 R29.5 | length 2.3
  Top Layer w0.254: A3.4@-22.814,24.26 -22.808,24.254 R29.5@-20.523,24.254
SPI.MISO: A1.31 FB4.1 R29.3 | length 81.8
  Top Layer w0.254: FB4.1@-36.378,41.295 -36.964,40.709 -36.964,39.765 -32.572,35.373 -5.965,35.373 -5.452,34.86 -4.766,34.86 v1(-4.7,34.926) -4.633,34.993 -3.25,34.993 -2.507,34.249 -2.507,33.451 -3.161,32.797 -7.591,32.797 -16.934,23.454 R29.3@-18.823,23.454 ; v1(6.26,45.138) 6.664,45.542 6.664,48.51 8.335,50.18 A1.31@8.985,50.18
  Bottom Layer w0.254: v1(-4.7,34.926) -4.512,35.114 -3.404,35.114 6.194,44.712 6.194,45.071 v1(6.26,45.138)
SPI.MOSI: A1.37 FB5.1 R29.1 | length 90.4
  Top Layer w0.254: FB5.1@-35.489,40.402 -36.114,39.776 -36.114,39.511 -32.382,35.779 -29.516,35.779 ; -29.725,35.782 -5.712,35.782 v1(-5.634,35.86) -5.567,35.927 -3.035,35.927 -1.694,34.586 -1.694,33.114 -2.824,31.984 -7.254,31.984 -17.385,21.854 R29.1@-18.823,21.854 ; v1(5.326,46.072) 5.852,46.597 5.852,48.847 7.293,50.289 7.293,52.618 7.778,53.102 7.778,56.768 8.81,57.8 A1.37@8.985,57.8
  Bottom Layer w0.254: v1(-5.634,35.86) -5.567,35.927 -3.741,35.927 5.26,44.928 5.26,46.005 v1(5.326,46.072)
SPI.SCK: A1.30 FB3.1 R29.4 | length 81.5
  Top Layer w0.254: FB3.1@-37.26,42.196 -37.311,42.196 -38.188,41.318 -38.188,40.392 -32.762,34.966 -6.133,34.966 -5.56,34.393 -4.479,34.393 -4.323,34.549 v1(-4.233,34.459) -4.106,34.586 -3.419,34.586 -2.913,34.081 -2.913,33.619 -3.329,33.203 -7.759,33.203 -16.709,24.254 R29.4@-18.823,24.254 ; v1(6.727,44.671) 6.727,44.85 7.071,45.194 7.071,46.964 7.104,46.997 7.104,47.938 8.076,48.91 A1.30@8.985,48.91
  Bottom Layer w0.254: v1(-4.233,34.459) -3.985,34.708 -3.236,34.708 v1(6.727,44.671)
SPI_C\S\0\: A1.29 FB2.1 | length 61.4
  Top Layer w0.254: FB2.1@-38.151,43.086 -39.487,41.75 -39.487,41.109 -33.86,35.481 -33.852,35.481 -32.931,34.56 -6.302,34.56 -5.668,33.926 -3.832,33.926 v1(-3.766,33.992) ; v1(7.194,44.204) 7.194,44.383 7.522,44.711 7.522,46.992 8.17,47.64 A1.29@8.985,47.64
  Bottom Layer w0.254: v1(-3.766,33.992) -3.457,34.301 -3.068,34.301 6.769,44.137 6.948,44.137 7.128,44.317 7.128,44.137 v1(7.194,44.204)
SPI_C\S\1\: A1.33 R29.2 | length 50.6
  Top Layer w0.254: R29.2@-18.823,22.654 -17.159,22.654 -7.423,32.391 -2.992,32.391 -2.1,33.282 -2.1,34.418 -3.203,35.52 -5.04,35.52 v1(-5.167,35.393) v1@-5.233,35.327 ; v1(5.793,45.605) 6.258,46.069 6.258,48.679 7.7,50.12 7.7,52.449 7.971,52.72 A1.33@8.985,52.72
  Bottom Layer w0.254: v1(-5.167,35.393) -5.04,35.52 -3.573,35.52 5.727,44.82 5.727,45.538 v1(5.793,45.605)
USB_5V: C17.2 FB1.2 U7.19 | length 6.8
  Top Layer w0.203: U7.19@35.704,43.78 35.704,46.023 35.991,46.309 38.078,46.309 C17.2@38.584,45.803 38.584,47.056 FB1.2@38.549,47.091
USB_D_N: P3.2 U7.15 | length 6.2
  Top Layer w0.203: U7.15@37.054,42.68 U7.15@37.304,42.68 39.444,42.68 40.161,41.963 P3.2@42.929,41.963
USB_D_P: P3.3 U7.14 | length 5.6
  Top Layer w0.203: U7.14@37.304,42.18 37.336,42.147 v1(39.255,42.147) ; v1(40.268,42.629) 40.276,42.637 P3.3@42.664,42.637
  Bottom Layer w0.203: v1(39.255,42.147) 39.786,42.147 v1(40.268,42.629)
VCC: C27.2 C28.2 D1.3 J7.30 R34.2 | length 8
  Top Layer w0.254: C28.2@-8.709,12.277 -8.709,12.508 -7,14.217 J7.30@-7,15.3
  Top Layer w0.508: C28.2@-8.72,12.288 -8.709,12.277 C27.2@-8.709,10.573 -8.716,10.566 R34.2@-8.716,9.266 -8.71,9.26 D1.3@-8.71,8.027
VCC_RF: R28.1 U8.9 | length 1.9
  Top Layer w0.762: U8.9@-30.381,56.257 -29.12,57.517 R28.1@-29.011,57.517
Vcomh: C25.2 J7.29 | length 2.7
  Top Layer w0.254: C25.2@-6.929,12.788 -6.929,13.568 ; -6.91,13.545 -6.5,13.956 J7.29@-6.5,15.3
VMid: R20.1 U6.3 U6.8 U6.9 U6.13 | length 16.3
  Top Layer w0.203: U6.13@-29.3,-39.431 -30.002,-39.431 -30.218,-39.215 -30.218,-37.982 -29.869,-37.632 -28.039,-37.632 ; U6.8@-29.3,-33.081 U6.9@-29.3,-34.351 -28.419,-34.351 -28.039,-34.732 -28.039,-37.632 ; R20.1@-22.533,-39.213 -22.998,-39.213 U6.3@-24.049,-38.161 -27.51,-38.161 -28.039,-37.632
pads on no net: A1.17 A1.18 A1.19 A1.20 A1.21 A1.22 A1.32 D1.2 Fid1. Fid2. Fid3. H1.1 H2.1 H3.1 H4.1 H5.1 H6.1 J1.0 J2.0 J3.0 J3.1 J3.2 J3.3 J3.6 J4.0 J7.0 J7.3 J7.4 J7.5 J7.6 J7.7 J7.8 J7.9 J7.10 J7.14 P1.0 P1.1 P1.7 P1.11 P1.12 P1.13 P1.15 P1.17 P1.19 P1.21 P1.23 P1.24 P1.26 P1.27 P1.28 P1.29 P1.31 P1.33 P1.35 P1.36 P1.37 P1.38 P1.40 P3.0 P3.4 R30.1 R30.8 U1.11 U1.14 U7.3 U7.5 U7.6 U7.7 U7.8 U7.9 U7.10 U7.11 U7.12 U7.13 U7.18 U7.21 U7.22 U7.23 U7.25 U7.27 U7.28 U7.29 U8.4 U8.5 U8.6 U8.14 U8.15 U8.16 U8.17

## Polygon pours and split planes (outlines as drawn)
GND on Top Layer "Top Layer-GND" (solid, remove dead copper, pour order 0): -17.5,66.6 -17.5,60.6 17.5,60.6 17.5,66.6 45,66.6 cw(c45,64.6) 47,64.6 47,-64.6 cw(c45,-64.6) 45,-66.6 -45,-66.6 cw(c-45,-64.6) -47,-64.6 -47,64.6 cw(c-45,64.6) -45,66.6
GND on Bottom Layer "Bottom Layer-GND" (solid, remove dead copper, pour order 1): -17.5,66.6 -17.5,60.6 17.5,60.6 17.5,66.6 45,66.6 cw(c45,64.6) 47,64.6 47,-64.6 cw(c45,-64.6) 45,-66.6 -45,-66.6 cw(c-45,-64.6) -47,-64.6 -47,64.6 cw(c-45,64.6) -45,66.6

## Keep-outs
Keep-Out Layer:
  the board outline again, w0.254

## Other copper
Top Layer:
  text "CJH '17" at 31.394,-65.837 h0.89
Bottom Layer:
  text "CJH '17" at 36.871,-65.831 h0.89
Multi-Layer:
  pour cut-out: -30.48,-60.5 30.48,-60.5 30.48,-66.6 -30.48,-66.6

## Silkscreen, mask and mechanical layers (free items; w line width, h text height)
Top Overlay:
  drawing of 2521 lines, arcs and shapes, not listed
  text "GridBallast / Controller v1" at 45.468,-5.391 h2.54 r90
  text "OpenChirp" at -35.888,-65.718 h3.17
  text "CJH '17" at 31.394,-65.837 h0.89

## Dimensions
-47,-64.6 to -41,-60.5 on Mechanical 1
-45,-66.6 to -41,-60.5 on Mechanical 1
-47,-64.6 to 47,-64.6 on Mechanical 1
45,66.6 to 45,-66.6 on Mechanical 1

## Text inside footprints (layer, text, board x,y; h text height)
J3: Top Overlay "RJ45" at 31.438,64.252 h2 r180
P1: Mechanical 1 "SD Card" at -36.584,-54.935 h1.5; Mechanical 1 "HDMI" at -15.063,-46.716 h2 r90; Mechanical 1 "USB" at -15.042,-16.177 h1.5 r90; Mechanical 1 "USB" at -14.965,-3.42 h1.5 r90
P2: Mechanical 1 "11.37MM / FROM / CENTER" at 2.235,-65.028 h1 r90